# KiCad board HX711.kicad_pcb
title: HX711 breakout; date: 2021-06-30; rev: V1.1.1.; company: SOLDERED; note: 333005
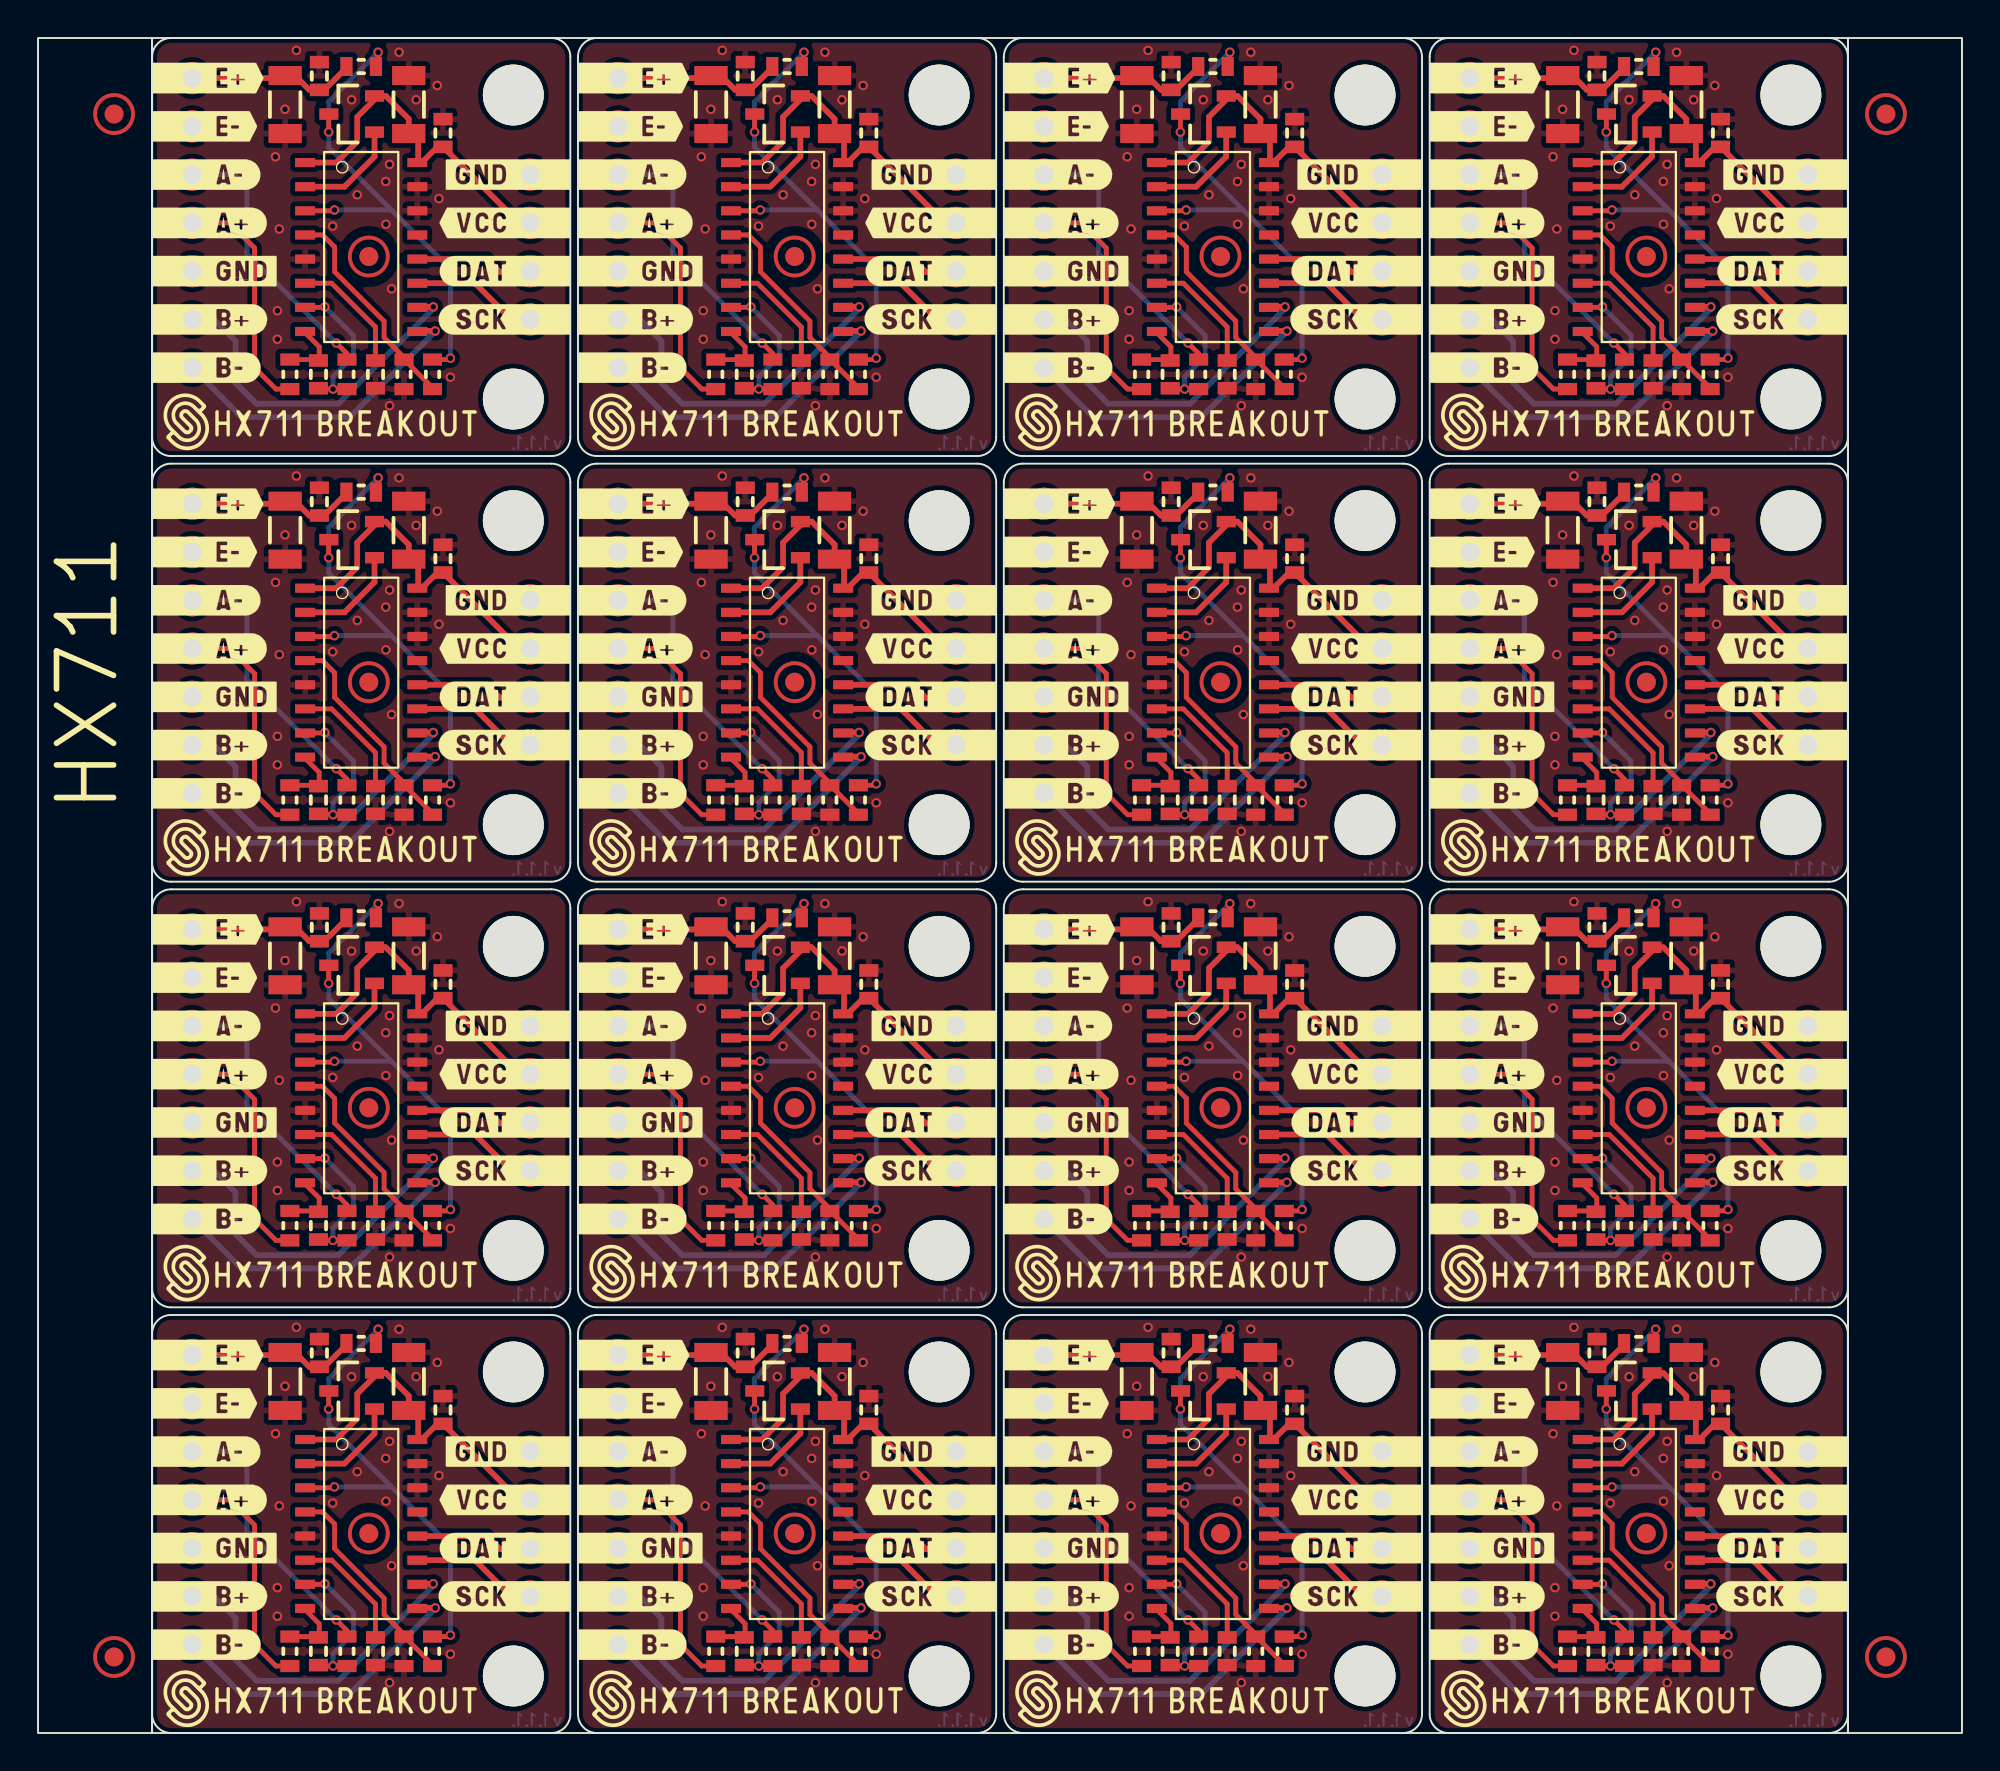
[diagram p0: board, top side]
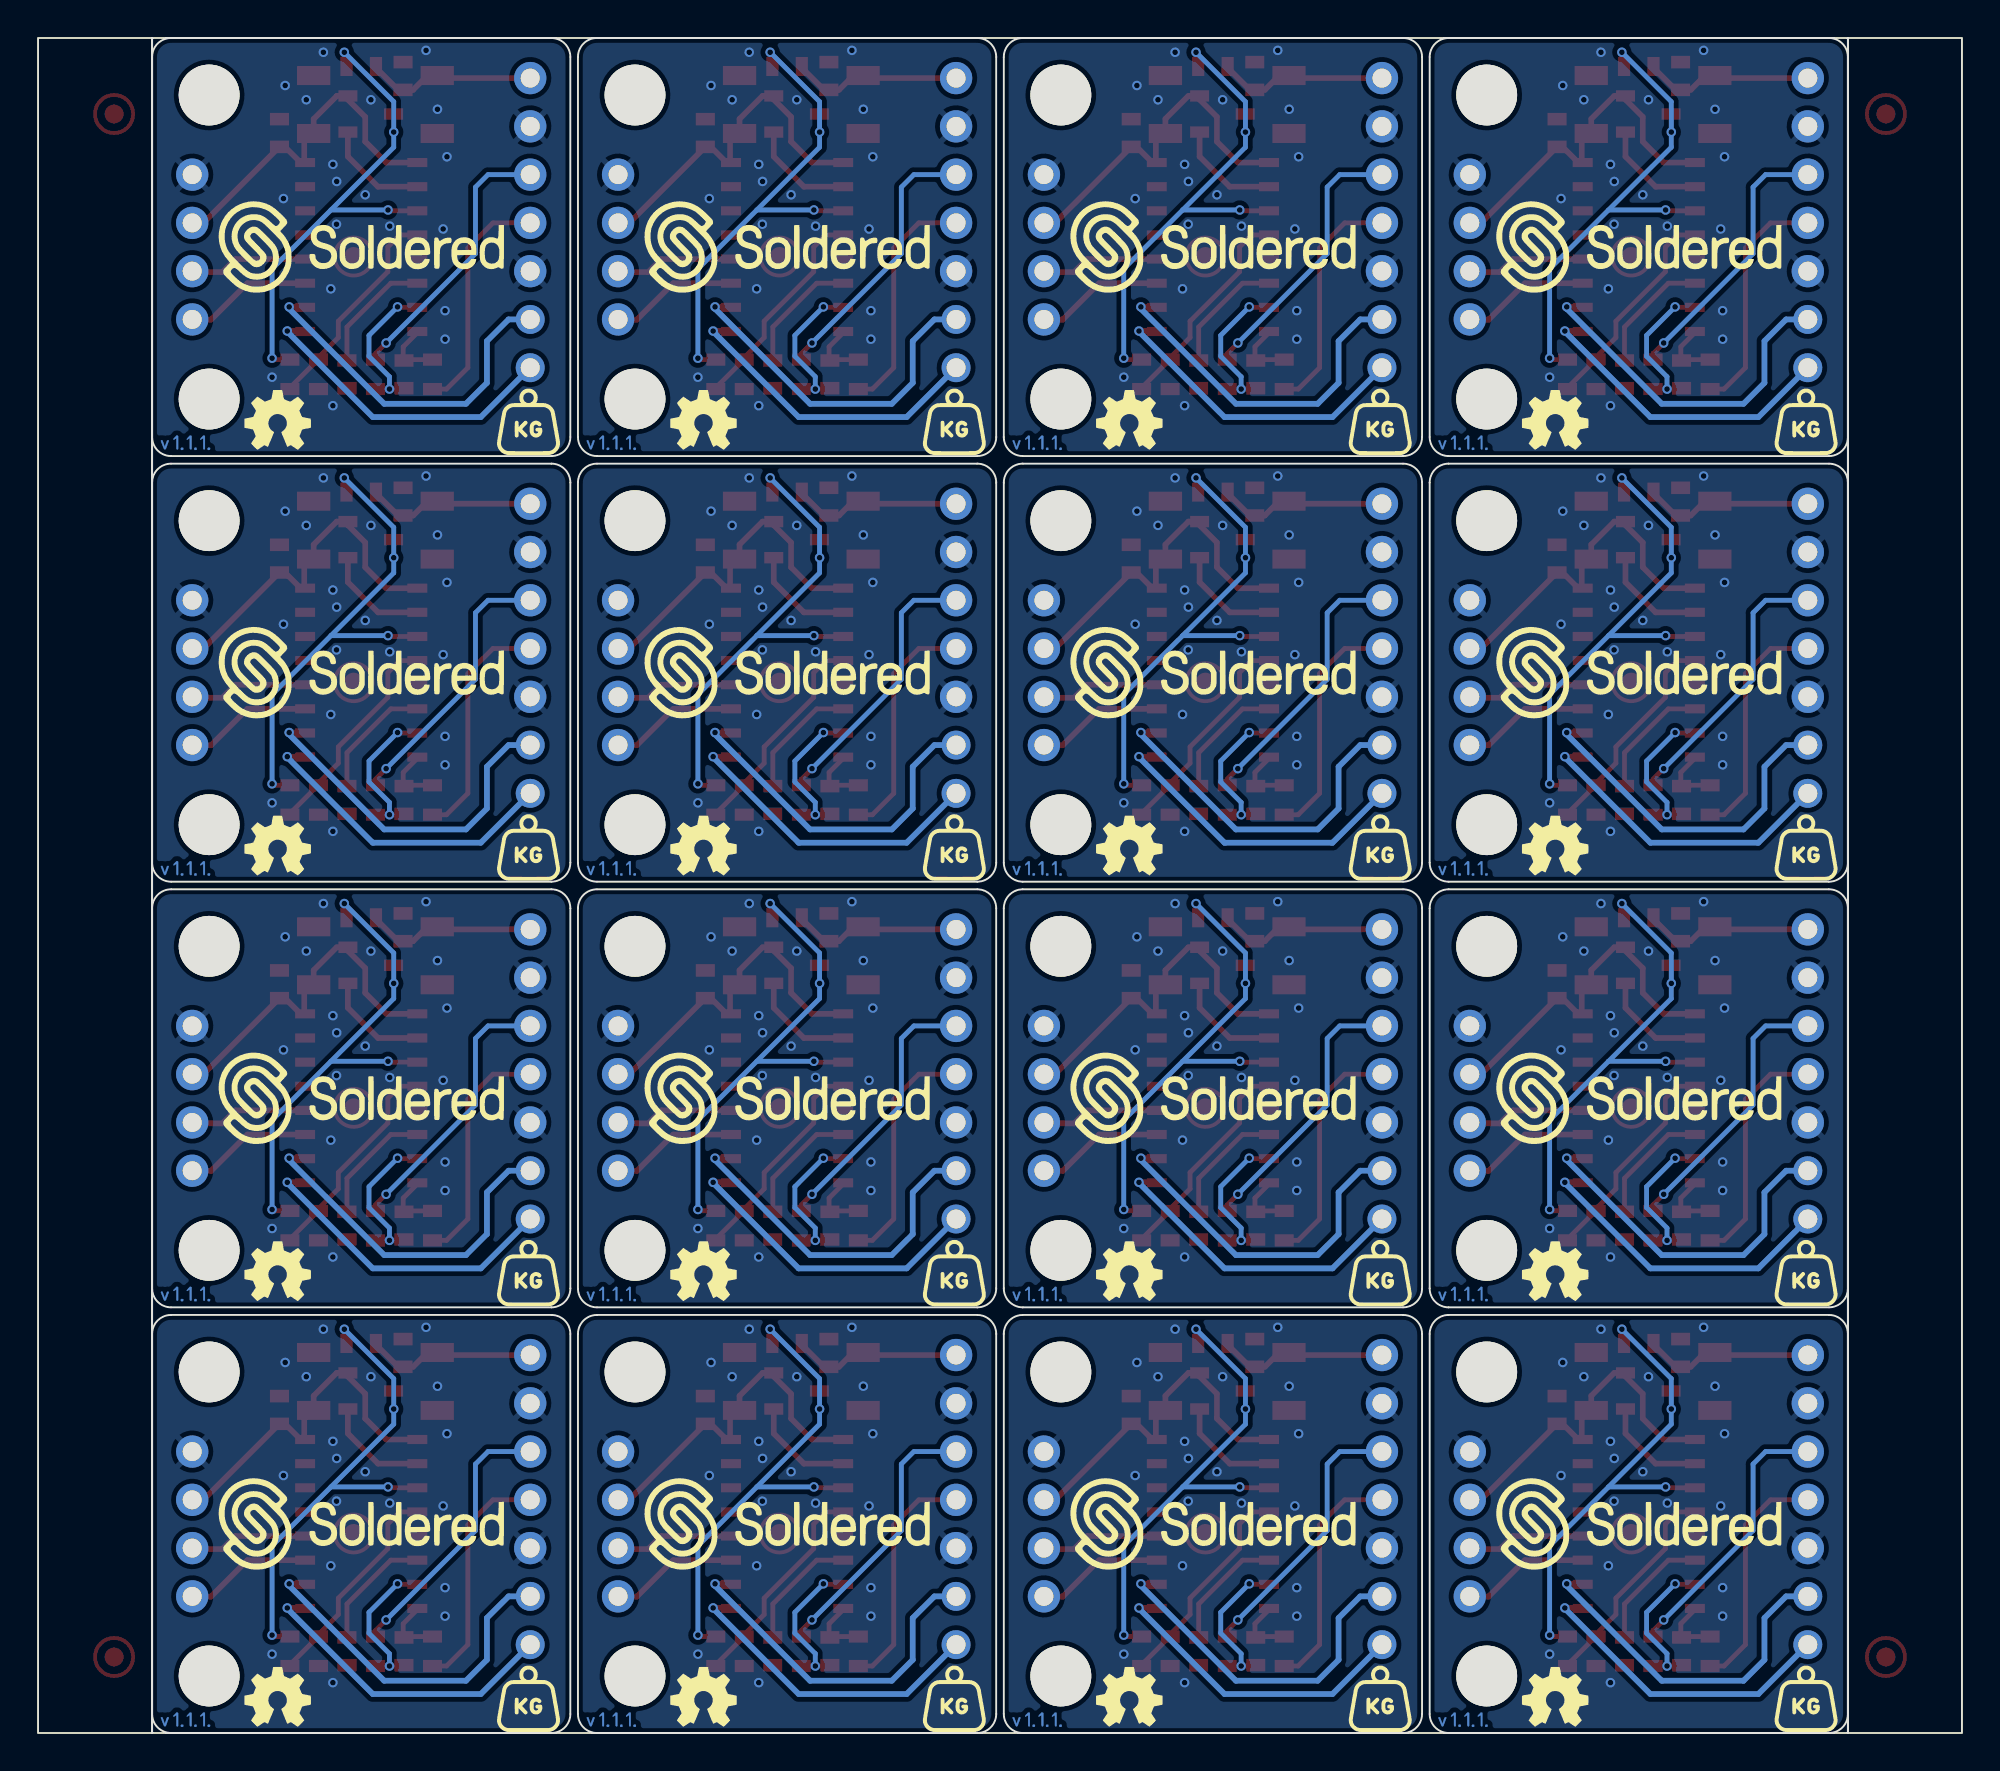
[diagram p1: board, bottom side, seen from below]

Outline 101.2 x 89.2 mm; copper layers: Top, Bottom. Coordinates in mm from the lower left corner of the outline.
Outline path: rectangle 0,89.2 6,0 ; rectangle 6,89.2 95.2,0 ; rectangle 95.2,89.2 101.2,0 ; 6,88.2 6,68.2 arc(6.29,67.49) 7,67.2 27,67.2 arc(27.71,67.49) 28,68.2 28,88.2 arc(27.71,88.91) 27,89.2 7,89.2 arc(6.29,88.91) 6,88.2 ; 6,65.8 6,45.8 arc(6.29,45.09) 7,44.8 27,44.8 arc(27.71,45.09) 28,45.8 28,65.8 arc(27.71,66.51) 27,66.8 7,66.8 arc(6.29,66.51) 6,65.8 ; 6,43.4 6,23.4 arc(6.29,22.69) 7,22.4 27,22.4 arc(27.71,22.69) 28,23.4 28,43.4 arc(27.71,44.11) 27,44.4 7,44.4 arc(6.29,44.11) 6,43.4 ; 6,21 6,1 arc(6.29,0.29) 7,0 27,0 arc(27.71,0.29) 28,1 28,21 arc(27.71,21.71) 27,22 7,22 arc(6.29,21.71) 6,21 ; 28.4,88.2 28.4,68.2 arc(28.69,67.49) 29.4,67.2 49.4,67.2 arc(50.11,67.49) 50.4,68.2 50.4,88.2 arc(50.11,88.91) 49.4,89.2 29.4,89.2 arc(28.69,88.91) 28.4,88.2 ; 28.4,65.8 28.4,45.8 arc(28.69,45.09) 29.4,44.8 49.4,44.8 arc(50.11,45.09) 50.4,45.8 50.4,65.8 arc(50.11,66.51) 49.4,66.8 29.4,66.8 arc(28.69,66.51) 28.4,65.8 ; 28.4,43.4 28.4,23.4 arc(28.69,22.69) 29.4,22.4 49.4,22.4 arc(50.11,22.69) 50.4,23.4 50.4,43.4 arc(50.11,44.11) 49.4,44.4 29.4,44.4 arc(28.69,44.11) 28.4,43.4 ; 28.4,21 28.4,1 arc(28.69,0.29) 29.4,0 49.4,0 arc(50.11,0.29) 50.4,1 50.4,21 arc(50.11,21.71) 49.4,22 29.4,22 arc(28.69,21.71) 28.4,21 ; 50.8,88.2 50.8,68.2 arc(51.09,67.49) 51.8,67.2 71.8,67.2 arc(72.51,67.49) 72.8,68.2 72.8,88.2 arc(72.51,88.91) 71.8,89.2 51.8,89.2 arc(51.09,88.91) 50.8,88.2 ; 50.8,65.8 50.8,45.8 arc(51.09,45.09) 51.8,44.8 71.8,44.8 arc(72.51,45.09) 72.8,45.8 72.8,65.8 arc(72.51,66.51) 71.8,66.8 51.8,66.8 arc(51.09,66.51) 50.8,65.8 ; 50.8,43.4 50.8,23.4 arc(51.09,22.69) 51.8,22.4 71.8,22.4 arc(72.51,22.69) 72.8,23.4 72.8,43.4 arc(72.51,44.11) 71.8,44.4 51.8,44.4 arc(51.09,44.11) 50.8,43.4 ; 50.8,21 50.8,1 arc(51.09,0.29) 51.8,0 71.8,0 arc(72.51,0.29) 72.8,1 72.8,21 arc(72.51,21.71) 71.8,22 51.8,22 arc(51.09,21.71) 50.8,21 ; 73.2,88.2 73.2,68.2 arc(73.49,67.49) 74.2,67.2 94.2,67.2 arc(94.91,67.49) 95.2,68.2 95.2,88.2 arc(94.91,88.91) 94.2,89.2 74.2,89.2 arc(73.49,88.91) 73.2,88.2 ; 73.2,65.8 73.2,45.8 arc(73.49,45.09) 74.2,44.8 94.2,44.8 arc(94.91,45.09) 95.2,45.8 95.2,65.8 arc(94.91,66.51) 94.2,66.8 74.2,66.8 arc(73.49,66.51) 73.2,65.8 ; 73.2,43.4 73.2,23.4 arc(73.49,22.69) 74.2,22.4 94.2,22.4 arc(94.91,22.69) 95.2,23.4 95.2,43.4 arc(94.91,44.11) 94.2,44.4 74.2,44.4 arc(73.49,44.11) 73.2,43.4 ; 73.2,21 73.2,1 arc(73.49,0.29) 74.2,0 94.2,0 arc(94.91,0.29) 95.2,1 95.2,21 arc(94.91,21.71) 94.2,22 74.2,22 arc(73.49,21.71) 73.2,21
Stack: Top 0.035mm / dielectric 1.51mm FR4 er 4.5 / Bottom 0.035mm

## Placement (name value [footprint] x y rotation side)
C1  100nF  [0603C]  82 87.2 270 top
C1#2  100nF  [0603C]  14.8 42.4 270 top
C1#3  100nF  [0603C]  82 64.8 270 top
C1#4  100nF  [0603C]  59.6 42.4 270 top
C1#5  100nF  [0603C]  82 20 270 top
C1#6  100nF  [0603C]  82 42.4 270 top
C1#7  100nF  [0603C]  59.6 87.2 270 top
C1#8  100nF  [0603C]  37.2 87.2 270 top
C1#9  100nF  [0603C]  59.6 64.8 270 top
C1#10  100nF  [0603C]  14.8 87.2 270 top
C1#11  100nF  [0603C]  37.2 42.4 270 top
C1#12  100nF  [0603C]  14.8 20 270 top
C1#13  100nF  [0603C]  59.6 20 270 top
C1#14  100nF  [0603C]  37.2 64.8 270 top
C1#15  100nF  [0603C]  37.2 20 270 top
C1#16  100nF  [0603C]  14.8 64.8 270 top
C2  10uF  [1206C]  35.4 63.3 90 top
C2#2  10uF  [1206C]  13 85.7 90 top
C2#3  10uF  [1206C]  57.8 85.7 90 top
C2#4  10uF  [1206C]  13 40.9 90 top
C2#5  10uF  [1206C]  13 18.5 90 top
C2#6  10uF  [1206C]  80.2 85.7 90 top
C2#7  10uF  [1206C]  80.2 63.3 90 top
C2#8  10uF  [1206C]  80.2 18.5 90 top
C2#9  10uF  [1206C]  35.4 18.5 90 top
C2#10  10uF  [1206C]  35.4 85.7 90 top
C2#11  10uF  [1206C]  57.8 63.3 90 top
C2#12  10uF  [1206C]  13 63.3 90 top
C2#13  10uF  [1206C]  57.8 18.5 90 top
C2#14  10uF  [1206C]  35.4 40.9 90 top
C2#15  10uF  [1206C]  80.2 40.9 90 top
C2#16  10uF  [1206C]  57.8 40.9 90 top
C3  100nF  [0603C]  84.95 26.7 90 top
C3#2  100nF  [0603C]  84.95 49.1 90 top
C3#3  100nF  [0603C]  40.15 26.7 90 top
C3#4  100nF  [0603C]  84.95 4.3 90 top
C3#5  100nF  [0603C]  84.95 71.5 90 top
C3#6  100nF  [0603C]  17.75 71.5 90 top
C3#7  100nF  [0603C]  62.55 49.1 90 top
C3#8  100nF  [0603C]  62.55 71.5 90 top
C3#9  100nF  [0603C]  62.55 4.3 90 top
C3#10  100nF  [0603C]  17.75 49.1 90 top
C3#11  100nF  [0603C]  17.75 4.3 90 top
C3#12  100nF  [0603C]  40.15 4.3 90 top
C3#13  100nF  [0603C]  40.15 71.5 90 top
C3#14  100nF  [0603C]  17.75 26.7 90 top
C3#15  100nF  [0603C]  40.15 49.1 90 top
C3#16  100nF  [0603C]  62.55 26.7 90 top
C4  100nF  [0603C]  37.15 49.1 270 top
C4#2  100nF  [0603C]  37.15 71.5 270 top
C4#3  100nF  [0603C]  59.55 26.7 270 top
C4#4  100nF  [0603C]  14.75 71.5 270 top
C4#5  100nF  [0603C]  37.15 26.7 270 top
C4#6  100nF  [0603C]  81.95 71.5 270 top
C4#7  100nF  [0603C]  81.95 49.1 270 top
C4#8  100nF  [0603C]  81.95 26.7 270 top
C4#9  100nF  [0603C]  59.55 71.5 270 top
C4#10  100nF  [0603C]  37.15 4.3 270 top
C4#11  100nF  [0603C]  81.95 4.3 270 top
C4#12  100nF  [0603C]  14.75 26.7 270 top
C4#13  100nF  [0603C]  59.55 49.1 270 top
C4#14  100nF  [0603C]  59.55 4.3 270 top
C4#15  100nF  [0603C]  14.75 4.3 270 top
C4#16  100nF  [0603C]  14.75 49.1 270 top
C5  100nF  [0603C]  88.5 61.8 270 top
C5#2  100nF  [0603C]  43.7 61.8 270 top
C5#3  100nF  [0603C]  21.3 17 270 top
C5#4  100nF  [0603C]  88.5 84.2 270 top
C5#5  100nF  [0603C]  66.1 61.8 270 top
C5#6  100nF  [0603C]  21.3 39.4 270 top
C5#7  100nF  [0603C]  66.1 84.2 270 top
C5#8  100nF  [0603C]  21.3 84.2 270 top
C5#9  100nF  [0603C]  21.3 61.8 270 top
C5#10  100nF  [0603C]  66.1 39.4 270 top
C5#11  100nF  [0603C]  43.7 39.4 270 top
C5#12  100nF  [0603C]  43.7 84.2 270 top
C5#13  100nF  [0603C]  43.7 17 270 top
C5#14  100nF  [0603C]  88.5 17 270 top
C5#15  100nF  [0603C]  88.5 39.4 270 top
C5#16  100nF  [0603C]  66.1 17 270 top
C6  10uF  [1206C]  41.9 85.7 270 top
C6#2  10uF  [1206C]  41.9 40.9 270 top
C6#3  10uF  [1206C]  86.7 18.5 270 top
C6#4  10uF  [1206C]  86.7 85.7 270 top
C6#5  10uF  [1206C]  41.9 63.3 270 top
C6#6  10uF  [1206C]  41.9 18.5 270 top
C6#7  10uF  [1206C]  64.3 63.3 270 top
C6#8  10uF  [1206C]  19.5 85.7 270 top
C6#9  10uF  [1206C]  64.3 85.7 270 top
C6#10  10uF  [1206C]  86.7 63.3 270 top
C6#11  10uF  [1206C]  86.7 40.9 270 top
C6#12  10uF  [1206C]  64.3 40.9 270 top
C6#13  10uF  [1206C]  19.5 63.3 270 top
C6#14  10uF  [1206C]  19.5 40.9 270 top
C6#15  10uF  [1206C]  19.5 18.5 270 top
C6#16  10uF  [1206C]  64.3 18.5 270 top
FD1  FIDUCIAL  [FIDUCIAL_23]  4 4 0 top
FD1#2  FIDUCIAL  [FIDUCIAL_23]  17.4 55.3 0 top
FD1#3  FIDUCIAL  [FIDUCIAL_23]  84.6 32.9 0 top
FD1#4  FIDUCIAL  [FIDUCIAL_23]  84.6 10.5 0 top
FD1#5  FIDUCIAL  [FIDUCIAL_23]  39.8 32.9 0 top
FD1#6  FIDUCIAL  [FIDUCIAL_23]  17.4 10.5 0 top
FD1#7  FIDUCIAL  [FIDUCIAL_23]  62.2 77.7 0 top
FD1#8  FIDUCIAL  [FIDUCIAL_23]  39.8 10.5 0 top
FD1#9  FIDUCIAL  [FIDUCIAL_23]  39.8 77.7 0 top
FD1#10  FIDUCIAL  [FIDUCIAL_23]  17.4 77.7 0 top
FD1#11  FIDUCIAL  [FIDUCIAL_23]  84.6 77.7 0 top
FD1#12  FIDUCIAL  [FIDUCIAL_23]  84.6 55.3 0 top
FD1#13  FIDUCIAL  [FIDUCIAL_23]  97.2 4 0 top
FD1#14  FIDUCIAL  [FIDUCIAL_23]  62.2 32.9 0 top
FD1#15  FIDUCIAL  [FIDUCIAL_23]  4 85.2 0 top
FD1#16  FIDUCIAL  [FIDUCIAL_23]  39.8 55.3 0 top
FD1#17  FIDUCIAL  [FIDUCIAL_23]  17.4 32.9 0 top
FD1#18  FIDUCIAL  [FIDUCIAL_23]  97.2 85.2 0 top
FD1#19  FIDUCIAL  [FIDUCIAL_23]  62.2 55.3 0 top
FD1#20  FIDUCIAL  [FIDUCIAL_23]  62.2 10.5 0 top
G***  LOGO  [Logo-Back-OSH-3.5mm]  66.2 69.1 0 top
G***#2  LOGO  [Logo-Front-Soldered-3mm]  52.6 69 0 top
G***#3  LOGO  [Logo-Back-OSH-3.5mm]  88.6 69.1 0 top
G***#4  LOGO  [Logo-Back-OSH-3.5mm]  88.6 1.9 0 top
G***#5  LOGO  [Logo-Front-Soldered-3mm]  75 69 0 top
G***#6  LOGO  [Logo-Front-Soldered-3mm]  7.8 1.8 0 top
G***#7  LOGO  [Logo-Back-OSH-3.5mm]  21.4 24.3 0 top
G***#8  LOGO  [Logo-Back-OSH-3.5mm]  43.8 24.3 0 top
G***#9  LOGO  [Logo-Front-Soldered-3mm]  30.2 1.8 0 top
G***#10  LOGO  [Logo-Front-Soldered-3mm]  7.8 24.2 0 top
G***#11  LOGO  [Logo-Front-Soldered-3mm]  30.2 46.6 0 top
G***#12  LOGO  [Logo-Front-Soldered-3mm]  52.6 24.2 0 top
G***#13  LOGO  [Logo-Back-OSH-3.5mm]  43.8 1.9 0 top
G***#14  LOGO  [Logo-Back-OSH-3.5mm]  88.6 24.3 0 top
G***#15  LOGO  [Logo-Front-Soldered-3mm]  7.8 46.6 0 top
G***#16  LOGO  [Logo-Front-Soldered-3mm]  52.6 1.8 0 top
G***#17  LOGO  [Logo-Front-Soldered-3mm]  30.2 24.2 0 top
G***#18  LOGO  [Logo-Front-Soldered-3mm]  52.6 46.6 0 top
G***#19  LOGO  [Logo-Front-Soldered-3mm]  75 1.8 0 top
G***#20  LOGO  [Logo-Back-OSH-3.5mm]  43.8 46.7 0 top
G***#21  LOGO  [Logo-Back-OSH-3.5mm]  21.4 69.1 0 top
G***#22  LOGO  [Logo-Front-Soldered-3mm]  30.2 69 0 top
G***#23  LOGO  [Logo-Back-OSH-3.5mm]  21.4 46.7 0 top
G***#24  LOGO  [Logo-Back-OSH-3.5mm]  21.4 1.9 0 top
G***#25  LOGO  [Logo-Front-Soldered-3mm]  75 24.2 0 top
G***#26  LOGO  [Logo-Front-Soldered-3mm]  75 46.6 0 top
G***#27  LOGO  [Logo-Back-OSH-3.5mm]  66.2 1.9 0 top
G***#28  LOGO  [Logo-Back-OSH-3.5mm]  66.2 46.7 0 top
G***#29  LOGO  [Logo-Front-Soldered-3mm]  7.8 69 0 top
G***#30  LOGO  [Logo-Back-OSH-3.5mm]  43.8 69.1 0 top
G***#31  LOGO  [Logo-Back-OSH-3.5mm]  88.6 46.7 0 top
G***#32  LOGO  [Logo-Back-OSH-3.5mm]  66.2 24.3 0 top
G***#33  LOGO  [Symbol-Front-Scale]  8.2 1.8 180 bottom
G***#34  LOGO  [Symbol-Front-Scale]  8.2 69 180 bottom
G***#35  LOGO  [Symbol-Front-Scale]  53 24.2 180 bottom
G***#36  LOGO  [Symbol-Front-Scale]  75.4 46.6 180 bottom
G***#37  LOGO  [Symbol-Front-Scale]  75.4 1.8 180 bottom
G***#38  LOGO  [Symbol-Front-Scale]  53 46.6 180 bottom
G***#39  LOGO  [Symbol-Front-Scale]  75.4 24.2 180 bottom
G***#40  LOGO  [Symbol-Front-Scale]  8.2 24.2 180 bottom
G***#41  LOGO  [Symbol-Front-Scale]  30.6 46.6 180 bottom
G***#42  LOGO  [Symbol-Front-Scale]  8.2 46.6 180 bottom
G***#43  LOGO  [Symbol-Front-Scale]  53 1.8 180 bottom
G***#44  LOGO  [Symbol-Front-Scale]  30.6 69 180 bottom
G***#45  LOGO  [Symbol-Front-Scale]  53 69 180 bottom
G***#46  LOGO  [Symbol-Front-Scale]  30.6 24.2 180 bottom
G***#47  LOGO  [Symbol-Front-Scale]  75.4 69 180 bottom
G***#48  LOGO  [Symbol-Front-Scale]  30.6 1.8 180 bottom
H1  -  [HOLE_3.2mm]  25 25.4 0 top
H1#2  -  [HOLE_3.2mm]  47.4 3 0 top
H1#3  -  [HOLE_3.2mm]  92.2 25.4 0 top
H1#4  -  [HOLE_3.2mm]  92.2 3 0 top
H1#5  -  [HOLE_3.2mm]  69.8 25.4 0 top
H1#6  -  [HOLE_3.2mm]  47.4 25.4 0 top
H1#7  -  [HOLE_3.2mm]  92.2 70.2 0 top
H1#8  -  [HOLE_3.2mm]  92.2 47.8 0 top
H1#9  -  [HOLE_3.2mm]  47.4 70.2 0 top
H1#10  -  [HOLE_3.2mm]  25 47.8 0 top
H1#11  -  [HOLE_3.2mm]  69.8 70.2 0 top
H1#12  -  [HOLE_3.2mm]  25 70.2 0 top
H1#13  -  [HOLE_3.2mm]  25 3 0 top
H1#14  -  [HOLE_3.2mm]  69.8 3 0 top
H1#15  -  [HOLE_3.2mm]  69.8 47.8 0 top
H1#16  -  [HOLE_3.2mm]  47.4 47.8 0 top
H2  -  [HOLE_3.2mm]  25 86.2 0 top
H2#2  -  [HOLE_3.2mm]  47.4 86.2 0 top
H2#3  -  [HOLE_3.2mm]  69.8 41.4 0 top
H2#4  -  [HOLE_3.2mm]  47.4 63.8 0 top
H2#5  -  [HOLE_3.2mm]  92.2 86.2 0 top
H2#6  -  [HOLE_3.2mm]  47.4 41.4 0 top
H2#7  -  [HOLE_3.2mm]  25 19 0 top
H2#8  -  [HOLE_3.2mm]  25 41.4 0 top
H2#9  -  [HOLE_3.2mm]  47.4 19 0 top
H2#10  -  [HOLE_3.2mm]  69.8 63.8 0 top
H2#11  -  [HOLE_3.2mm]  69.8 19 0 top
H2#12  -  [HOLE_3.2mm]  92.2 41.4 0 top
H2#13  -  [HOLE_3.2mm]  25 63.8 0 top
H2#14  -  [HOLE_3.2mm]  92.2 19 0 top
H2#15  -  [HOLE_3.2mm]  69.8 86.2 0 top
H2#16  -  [HOLE_3.2mm]  92.2 63.8 0 top
K1  -  [HEADER_MALE_5X1]  30.51 37.21 90 bottom
K1#2  -  [HEADER_MALE_5X1]  8.11 14.81 90 bottom
K1#3  -  [HEADER_MALE_5X1]  52.91 14.81 90 bottom
K1#4  -  [HEADER_MALE_5X1]  30.51 14.81 90 bottom
K1#5  -  [HEADER_MALE_5X1]  52.91 37.21 90 bottom
K1#6  -  [HEADER_MALE_5X1]  75.31 14.81 90 bottom
K1#7  -  [HEADER_MALE_5X1]  30.51 82.01 90 bottom
K1#8  -  [HEADER_MALE_5X1]  8.11 59.61 90 bottom
K1#9  -  [HEADER_MALE_5X1]  8.11 82.01 90 bottom
K1#10  -  [HEADER_MALE_5X1]  52.91 82.01 90 bottom
K1#11  -  [HEADER_MALE_5X1]  75.31 82.01 90 bottom
K1#12  -  [HEADER_MALE_5X1]  52.91 59.61 90 bottom
K1#13  -  [HEADER_MALE_5X1]  75.31 37.21 90 bottom
K1#14  -  [HEADER_MALE_5X1]  75.31 59.61 90 bottom
K1#15  -  [HEADER_MALE_5X1]  30.51 59.61 90 bottom
K1#16  -  [HEADER_MALE_5X1]  8.11 37.21 90 bottom
K2  -  [HEADER_MALE_2X1]  75.31 50.72 90 bottom
K2#2  -  [HEADER_MALE_2X1]  52.91 28.32 90 bottom
K2#3  -  [HEADER_MALE_2X1]  52.91 50.72 90 bottom
K2#4  -  [HEADER_MALE_2X1]  8.11 5.92 90 bottom
K2#5  -  [HEADER_MALE_2X1]  52.91 5.92 90 bottom
K2#6  -  [HEADER_MALE_2X1]  30.51 50.72 90 bottom
K2#7  -  [HEADER_MALE_2X1]  75.31 73.12 90 bottom
K2#8  -  [HEADER_MALE_2X1]  8.11 50.72 90 bottom
K2#9  -  [HEADER_MALE_2X1]  52.91 73.12 90 bottom
K2#10  -  [HEADER_MALE_2X1]  30.51 5.92 90 bottom
K2#11  -  [HEADER_MALE_2X1]  8.11 73.12 90 bottom
K2#12  -  [HEADER_MALE_2X1]  75.31 28.32 90 bottom
K2#13  -  [HEADER_MALE_2X1]  75.31 5.92 90 bottom
K2#14  -  [HEADER_MALE_2X1]  8.11 28.32 90 bottom
K2#15  -  [HEADER_MALE_2X1]  30.51 28.32 90 bottom
K2#16  -  [HEADER_MALE_2X1]  30.51 73.12 90 bottom
K3  -  [HEADER_MALE_4X1]  70.69 55.8 90 bottom
K3#2  -  [HEADER_MALE_4X1]  93.09 55.8 90 bottom
K3#3  -  [HEADER_MALE_4X1]  48.29 55.8 90 bottom
K3#4  -  [HEADER_MALE_4X1]  25.89 78.2 90 bottom
K3#5  -  [HEADER_MALE_4X1]  25.89 33.4 90 bottom
K3#6  -  [HEADER_MALE_4X1]  93.09 11 90 bottom
K3#7  -  [HEADER_MALE_4X1]  70.69 11 90 bottom
K3#8  -  [HEADER_MALE_4X1]  25.89 11 90 bottom
K3#9  -  [HEADER_MALE_4X1]  48.29 33.4 90 bottom
K3#10  -  [HEADER_MALE_4X1]  48.29 11 90 bottom
K3#11  -  [HEADER_MALE_4X1]  93.09 33.4 90 bottom
K3#12  -  [HEADER_MALE_4X1]  70.69 33.4 90 bottom
K3#13  -  [HEADER_MALE_4X1]  25.89 55.8 90 bottom
K3#14  -  [HEADER_MALE_4X1]  48.29 78.2 90 bottom
K3#15  -  [HEADER_MALE_4X1]  93.09 78.2 90 bottom
K3#16  -  [HEADER_MALE_4X1]  70.69 78.2 90 bottom
NOREF  -  [buzzardLabel]  50.4 4.65 0 top
NOREF#2  -  [buzzardLabel]  50.4 42.29 0 top
NOREF#3  -  [buzzardLabel]  50.4 19.89 0 top
NOREF#4  -  [buzzardLabel]  72.8 19.89 0 top
NOREF#5  -  [buzzardLabel]  73.2 76.93 0 top
NOREF#6  -  [buzzardLabel]  61 24.1 0 top
NOREF#7  -  [buzzardLabel]  28.4 32.13 0 top
NOREF#8  -  [buzzardLabel]  50.8 12.27 0 top
NOREF#9  -  [buzzardLabel]  50.4 34.67 0 top
NOREF#10  -  [buzzardLabel]  50.4 79.47 0 top
NOREF#11  -  [buzzardLabel]  28.4 74.39 0 top
NOREF#12  -  [buzzardLabel]  28 32.13 0 top
NOREF#13  -  [buzzardLabel]  50.8 59.61 0 top
NOREF#14  -  [buzzardLabel]  72.8 12.27 0 top
NOREF#15  -  [buzzardLabel]  5.6 39.75 0 top
NOREF#16  -  [buzzardLabel]  50.4 17.35 0 top
NOREF#17  -  [buzzardLabel]  5.6 14.81 0 top
NOREF#18  -  [buzzardLabel]  95.6 9.73 0 top
NOREF#19  -  [buzzardLabel]  28.4 37.21 0 top
NOREF#20  -  [buzzardLabel]  73.2 37.21 0 top
NOREF#21  -  [buzzardLabel]  72.8 54.53 0 top
NOREF#22  -  [buzzardLabel]  28.4 59.61 0 top
NOREF#23  -  [buzzardLabel]  5.6 42.29 0 top
NOREF#24  -  [buzzardLabel]  72.8 34.67 0 top
NOREF#25  -  [buzzardLabel]  28 54.53 0 top
NOREF#26  -  [buzzardLabel]  50.4 71.85 0 top
NOREF#27  -  [buzzardLabel]  95.6 37.21 0 top
NOREF#28  -  [buzzardLabel]  5.6 76.93 0 top
NOREF#29  -  [buzzardLabel]  5.6 9.73 0 top
NOREF#30  -  [buzzardLabel]  28 49.45 0 top
NOREF#31  -  [buzzardLabel]  5.6 51.99 0 top
NOREF#32  -  [buzzardLabel]  5.6 62.15 0 top
NOREF#33  -  [buzzardLabel]  72.8 74.39 0 top
NOREF#34  -  [buzzardLabel]  28 37.21 0 top
NOREF#35  -  [buzzardLabel]  73.2 14.81 0 top
NOREF#36  -  [buzzardLabel]  28 62.15 0 top
NOREF#37  -  [buzzardLabel]  5.6 64.69 0 top
NOREF#38  -  [buzzardLabel]  73.2 34.67 0 top
NOREF#39  -  [buzzardLabel]  72.8 71.85 0 top
NOREF#40  -  [buzzardLabel]  50.4 87.09 0 top
NOREF#41  -  [buzzardLabel]  73.2 59.61 0 top
NOREF#42  -  [buzzardLabel]  72.8 79.47 0 top
NOREF#43  -  [buzzardLabel]  5.6 84.55 0 top
NOREF#44  -  [buzzardLabel]  50.8 76.93 0 top
NOREF#45  -  [buzzardLabel]  50.4 12.27 0 top
NOREF#46  -  [buzzardLabel]  28.4 51.99 0 top
NOREF#47  -  [buzzardLabel]  28.4 9.73 0 top
NOREF#48  -  [buzzardLabel]  73.2 74.39 0 top
NOREF#49  -  [buzzardLabel]  50.4 82.01 0 top
NOREF#50  -  [buzzardLabel]  83.4 68.9 0 top
NOREF#51  -  [buzzardLabel]  5.6 12.27 0 top
NOREF#52  -  [buzzardLabel]  5.6 71.85 0 top
NOREF#53  -  [buzzardLabel]  95.6 14.81 0 top
NOREF#54  -  [buzzardLabel]  95.6 51.99 0 top
NOREF#55  -  [buzzardLabel]  50.8 82.01 0 top
NOREF#56  -  [buzzardLabel]  5.6 7.19 0 top
NOREF#57  -  [buzzardLabel]  28.4 14.81 0 top
NOREF#58  -  [buzzardLabel]  50.8 54.53 0 top
NOREF#59  -  [buzzardLabel]  72.8 39.75 0 top
NOREF#60  -  [buzzardLabel]  72.8 62.15 0 top
NOREF#61  -  [buzzardLabel]  95.6 82.01 0 top
NOREF#62  -  [buzzardLabel]  50.8 7.19 0 top
NOREF#63  -  [buzzardLabel]  5.6 49.45 0 top
NOREF#64  -  [buzzardLabel]  28 34.67 0 top
NOREF#65  -  [buzzardLabel]  50.4 14.81 0 top
NOREF#66  -  [buzzardLabel]  61 46.5 0 top
NOREF#67  -  [buzzardLabel]  28.4 57.07 0 top
NOREF#68  -  [buzzardLabel]  28 17.35 0 top
NOREF#69  -  [buzzardLabel]  50.4 84.55 0 top
NOREF#70  -  [buzzardLabel]  50.8 14.81 0 top
NOREF#71  -  [buzzardLabel]  5.6 32.13 0 top
NOREF#72  -  [buzzardLabel]  28 74.39 0 top
NOREF#73  -  [buzzardLabel]  83.4 24.1 0 top
NOREF#74  -  [buzzardLabel]  28 79.47 0 top
NOREF#75  -  [buzzardLabel]  72.8 32.13 0 top
NOREF#76  -  [buzzardLabel]  28 64.69 0 top
NOREF#77  -  [buzzardLabel]  95.6 54.53 0 top
NOREF#78  -  [buzzardLabel]  72.8 76.93 0 top
NOREF#79  -  [buzzardLabel]  73.2 29.59 0 top
NOREF#80  -  [buzzardLabel]  72.8 64.69 0 top
NOREF#81  -  [buzzardLabel]  50.4 51.99 0 top
NOREF#82  -  [buzzardLabel]  95.6 79.47 0 top
NOREF#83  -  [buzzardLabel]  28 14.81 0 top
NOREF#84  -  [buzzardLabel]  72.8 4.65 0 top
NOREF#85  -  [buzzardLabel]  28 7.19 0 top
NOREF#86  -  [buzzardLabel]  50.8 74.39 0 top
NOREF#87  -  [buzzardLabel]  95.6 7.19 0 top
NOREF#88  -  [buzzardLabel]  28 12.27 0 top
NOREF#89  -  [buzzardLabel]  50.4 39.75 0 top
NOREF#90  -  [buzzardLabel]  95.6 32.13 0 top
NOREF#91  -  [buzzardLabel]  28.4 76.93 0 top
NOREF#92  -  [buzzardLabel]  72.8 82.01 0 top
NOREF#93  -  [buzzardLabel]  73.2 51.99 0 top
NOREF#94  -  [buzzardLabel]  5.6 54.53 0 top
NOREF#95  -  [buzzardLabel]  50.8 34.67 0 top
NOREF#96  -  [buzzardLabel]  16.2 68.9 0 top
NOREF#97  -  [buzzardLabel]  50.8 57.07 0 top
NOREF#98  -  [buzzardLabel]  73.2 32.13 0 top
NOREF#99  -  [buzzardLabel]  5.6 37.21 0 top
NOREF#100  -  [buzzardLabel]  5.6 29.59 0 top
NOREF#101  -  [buzzardLabel]  72.8 14.81 0 top
NOREF#102  -  [buzzardLabel]  83.4 1.7 0 top
NOREF#103  -  [buzzardLabel]  95.6 76.93 0 top
NOREF#104  -  [buzzardLabel]  73.2 9.73 0 top
NOREF#105  -  [buzzardLabel]  72.8 37.21 0 top
NOREF#106  -  [buzzardLabel]  28 71.85 0 top
NOREF#107  -  [buzzardLabel]  5.6 87.09 0 top
NOREF#108  -  [buzzardLabel]  5.6 79.47 0 top
NOREF#109  -  [buzzardLabel]  28.4 7.19 0 top
NOREF#110  -  [buzzardLabel]  5.6 82.01 0 top
NOREF#111  -  [buzzardLabel]  5.6 19.89 0 top
NOREF#112  -  [buzzardLabel]  72.8 17.35 0 top
NOREF#113  -  [buzzardLabel]  50.4 9.73 0 top
NOREF#114  -  [buzzardLabel]  28.4 34.67 0 top
NOREF#115  -  [buzzardLabel]  50.4 29.59 0 top